# KiCad board ebaz4205.kicad_pcb
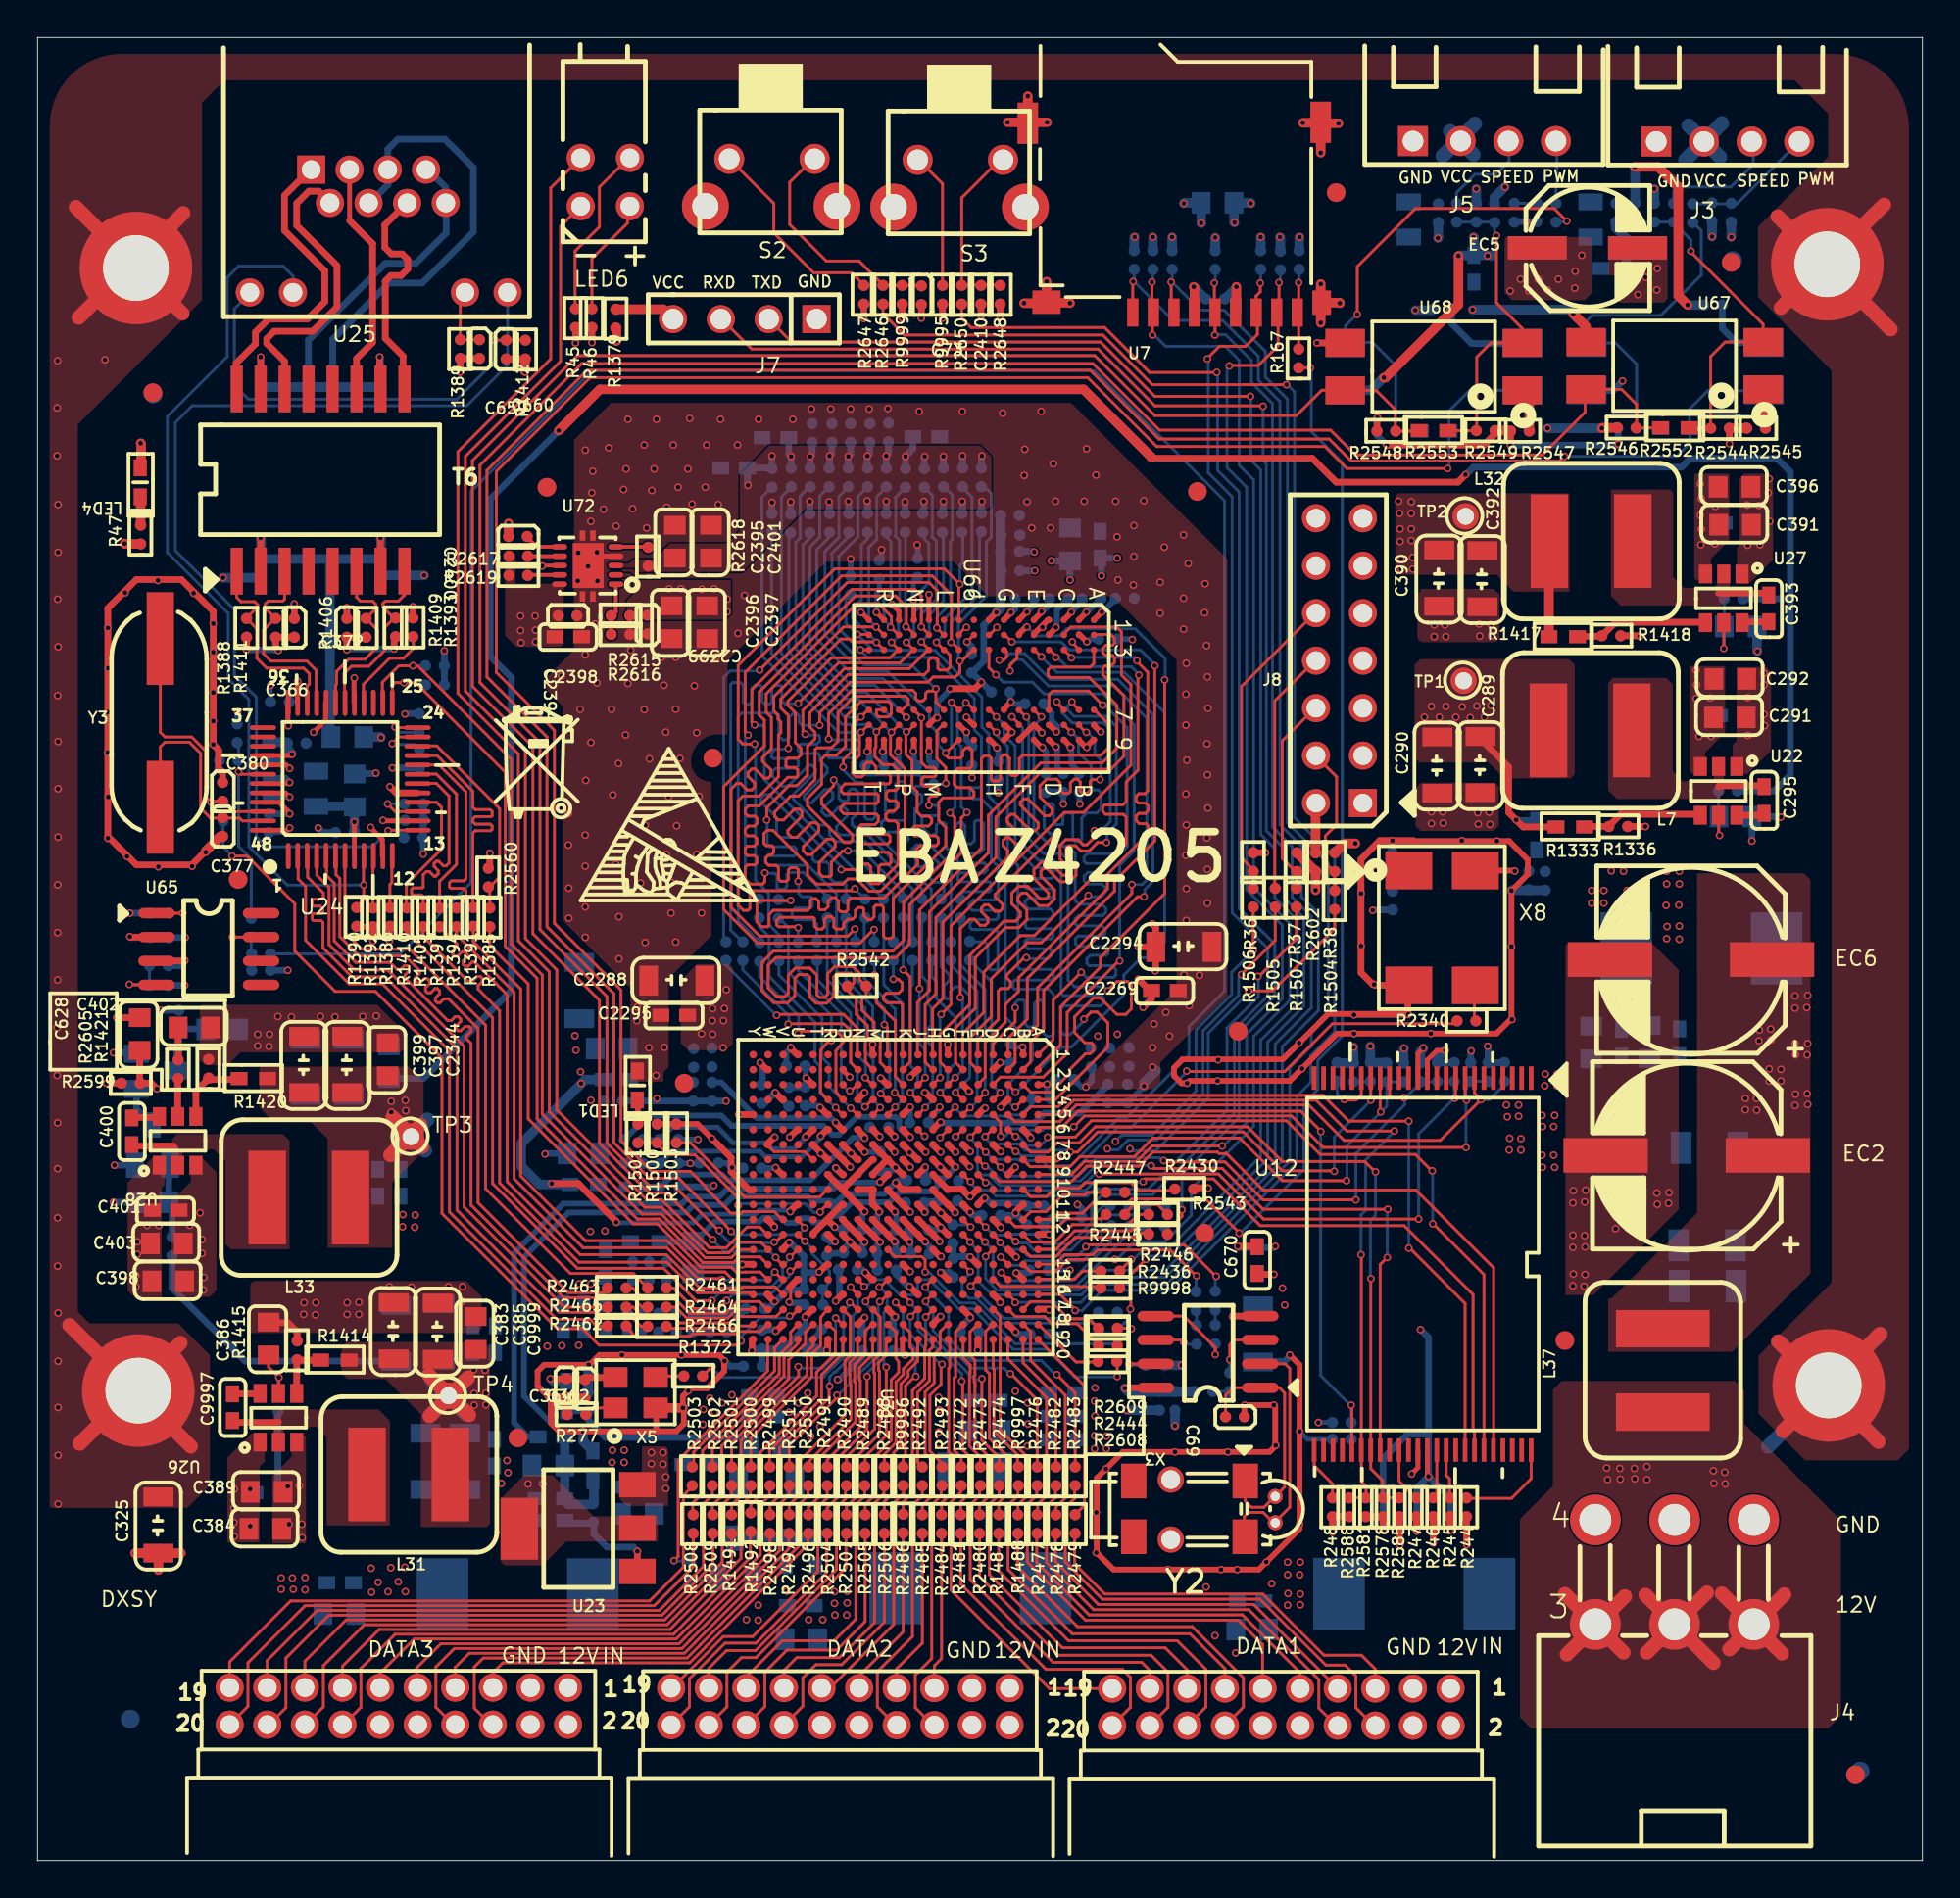
[diagram p0: board, top side]
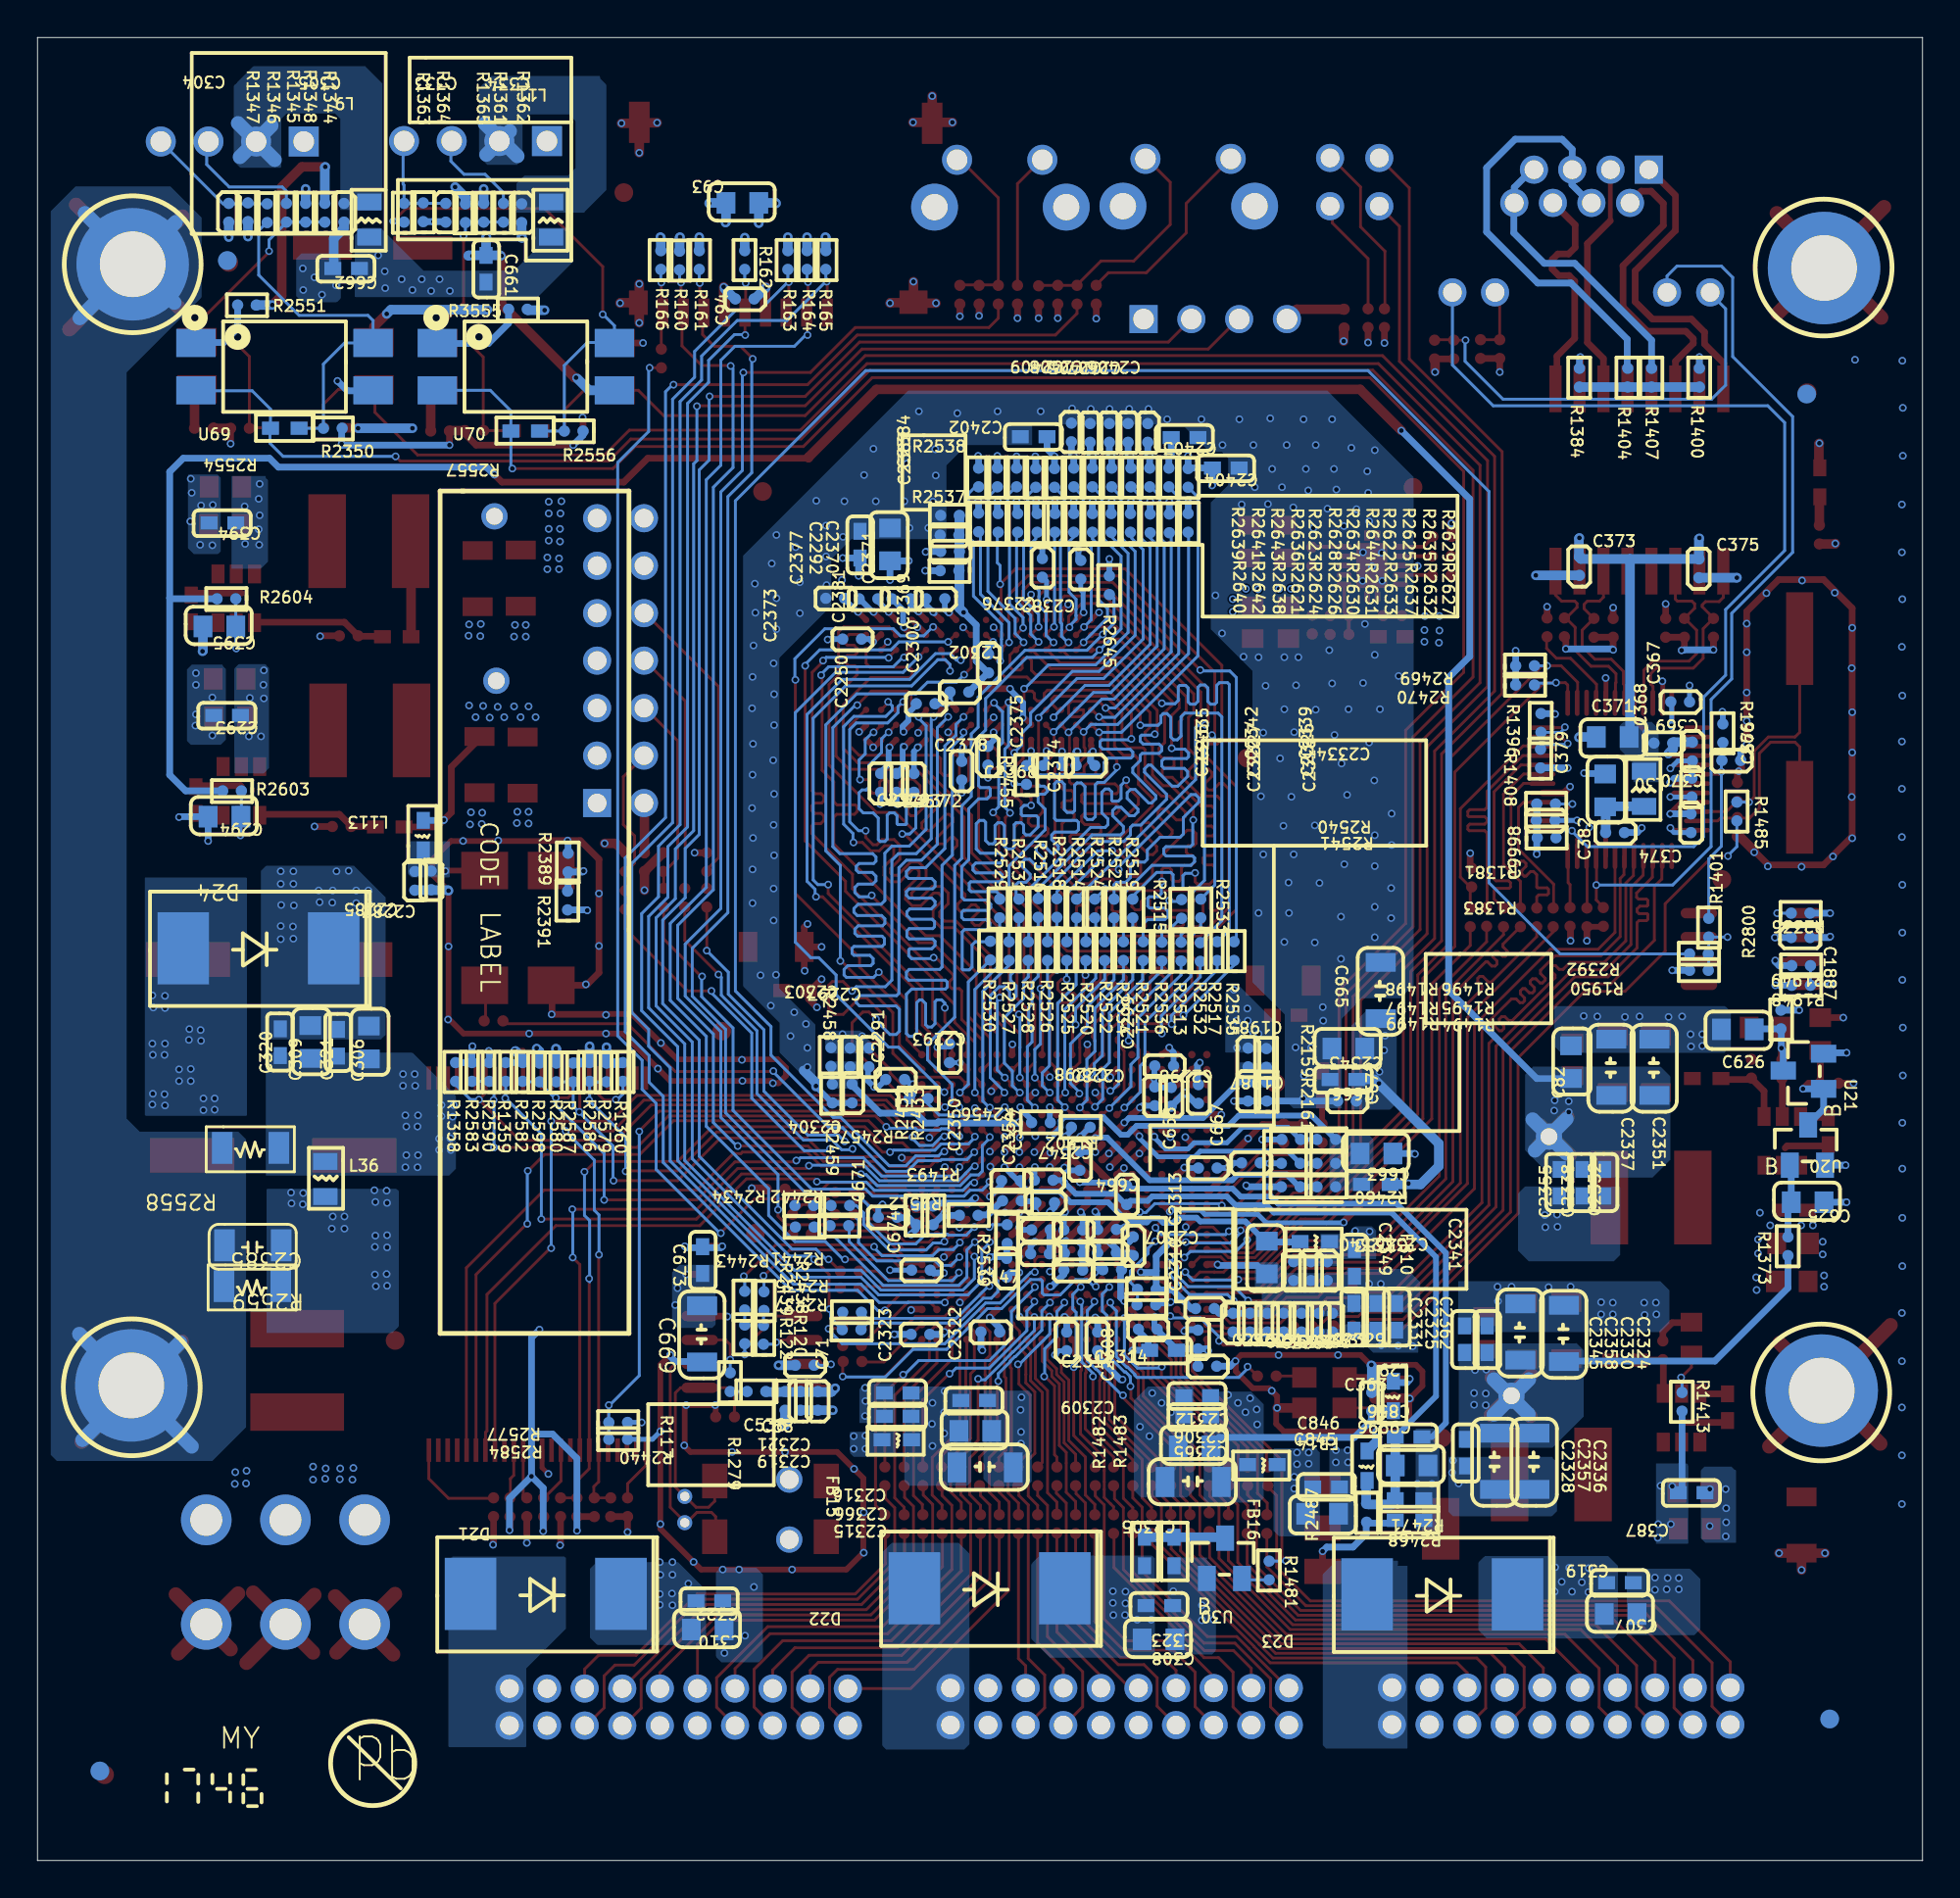
[diagram p1: board, bottom side, seen from below]

Outline 100.55 x 97.28 mm; copper layers: Top Layer, MidLayer1, MidLayer2, Bottom Layer. Coordinates in mm from the lower left corner of the outline.
Outline path: 0,97.28 0,0 100.55,0 100.55,97.28 0,97.28
Stack: Top Layer 0.0356mm / dielectric 0.32mm FR-4 er 4.8 / MidLayer1 0.0356mm / dielectric 0.32mm FR-4 er 4.8 / MidLayer2 0.0356mm / dielectric 0.32mm FR-4 er 4.8 / Bottom Layer 0.0356mm

## Placement (name value [footprint] x y rotation side)
C68  NC  [unnamed#7]  58.93 25.03 0 bottom
C69  NC  [unnamed#7]  63.38 23.68 270 top
C71  NC  [unnamed#7]  60.13 26.43 270 bottom
C73  1UF  [unnamed#7]  47.15 83.03 0 top
C82  10UF  [unnamed#23]  18.75 43.48 270 bottom
C93  NC  [unnamed#23]  63.83 88.45 180 bottom
C94  NC  [unnamed#7]  63.33 83.33 270 bottom
C147  10NF  [unnamed#7]  48.85 32.13 0 bottom
C289  22UF  [unnamed#3]  76.98 56.98 90 top
C290  22UF  [unnamed#3]  74.68 56.95 90 top
C291  10UF  [unnamed#11]  89.4 61 0 top
C292  10UF  [unnamed#11]  89.43 63.05 0 top
C293  100NF  [unnamed#6]  91.15 61.1 180 bottom
C294  NC  [unnamed#23]  91.45 55.7 180 bottom
C295  100NF  [unnamed#6]  92.1 55.88 90 top
C304  100NF  [unnamed#7]  90.35 87.43 180 bottom
C305  100NF  [unnamed#7]  84.2 87.43 180 bottom
C306  10UF  [unnamed#11]  82.88 44.53 270 bottom
C307  10UF  [unnamed#11]  16.98 13.15 180 bottom
C308  10UF  [unnamed#23]  41.63 11.8 180 bottom
C309  10UF  [unnamed#11]  86 44.55 270 bottom
C310  10UF  [unnamed#11]  65.68 12.33 180 bottom
C319  100NF  [unnamed#6]  16.85 14.83 180 bottom
C320  100NF  [unnamed#6]  87.6 44.38 270 bottom
C321  100NF  [unnamed#6]  84.5 44.35 270 bottom
C322  100NF  [unnamed#6]  65.43 13.85 180 bottom
C323  100NF  [unnamed#6]  41.43 13.6 180 bottom
C325  1NF  [unnamed#3]  6.45 16.4 90 top
C327  100NF  [unnamed#7]  47.38 36.3 270 bottom
C333  100NF  [unnamed#7]  78.78 87.43 180 bottom
C334  100NF  [unnamed#7]  74.73 87.4 180 bottom
C362  NC  [unnamed#7]  29.2 24.66 0 top
C363  NC  [unnamed#7]  29.38 24.98 0 bottom
C364  NC  [unnamed#7]  28.21 24.72 0 top
C366  NC  [unnamed#7]  13.7 65.28 0 top
C367  100NF  [unnamed#7]  13.43 61.83 270 bottom
C368  100NF  [unnamed#7]  14.33 59.63 270 bottom
C369  100NF  [unnamed#7]  12.28 58.68 180 bottom
C370  100NF  [unnamed#7]  12.3 56.75 180 bottom
C371  NC  [unnamed#23]  15.65 59.95 0 bottom
C372  NC  [unnamed#7]  16.5 65.28 0 top
C373  100NF  [unnamed#7]  18.3 69.58 0 bottom
C374  100NF  [unnamed#7]  12.35 54.85 180 bottom
C375  100NF  [unnamed#7]  11.93 69.45 0 bottom
C376  100NF  [unnamed#7]  10.7 58.7 270 bottom
C377  22PF  [unnamed#7]  9.88 54.65 0 top
C379  NC  [unnamed#23]  16.93 57.98 270 bottom
C380  22PF  [unnamed#7]  9.88 56.53 0 top
C382  100NF  [unnamed#7]  16.9 54.85 270 bottom
C383  22UF  [unnamed#3]  19 26.78 90 top
C384  10UF  [unnamed#23]  11.28 17.7 0 top
C385  22UF  [unnamed#3]  21.35 26.75 90 top
C386  NC  [unnamed#23]  12.33 26.98 90 top
C387  100NF  [unnamed#6]  13.03 19.63 180 bottom
C389  10UF  [unnamed#11]  11.35 19.68 0 top
C390  22UF  [unnamed#3]  74.78 66.93 90 top
C391  10UF  [unnamed#23]  89.68 71.28 0 top
C392  22UF  [unnamed#3]  77.08 66.9 90 top
C393  100NF  [unnamed#6]  92.35 66.1 90 top
C394  100NF  [unnamed#6]  91.4 71.38 180 bottom
C395  NC  [unnamed#23]  91.73 65.85 180 bottom
C396  10UF  [unnamed#23]  89.65 73.3 0 top
C397  22UF  [unnamed#3]  16.53 40.98 90 top
C398  10UF  [unnamed#11]  6.1 30.9 0 top
C399  22UF  [unnamed#3]  14.23 40.98 90 top
C400  100NF  [unnamed#6]  5.03 38.2 90 top
C401  100NF  [unnamed#6]  6.13 34.7 0 top
C402  NC  [unnamed#23]  7.5 44.45 0 top
C403  10UF  [unnamed#23]  6.03 32.93 0 top
C538  NC  [unnamed#7]  59.85 25.03 0 bottom
C625  10UF  [unnamed#23]  7 35.13 180 bottom
C626  10UF  [unnamed#23]  8.98 44.35 0 bottom
C628  NC  [unnamed#23]  5.45 43.23 90 top
C659  100NF  [unnamed#7]  23.58 80.15 0 top
C660  100NF  [unnamed#7]  25 80.13 0 top
C661  100NF  [unnamed#6]  76.63 84.23 90 bottom
C662  100NF  [unnamed#6]  84.8 84.95 180 bottom
C663  33UF  [unnamed#23]  30 37.73 180 bottom
C664  100NF  [unnamed#7]  42.45 35 180 bottom
C665  51UF  [unnamed#3]  28.9 44.93 90 bottom
C666  3.9UF  [unnamed#6]  31.6 41.68 180 bottom
C667  470NF  [unnamed#7]  36.33 37.23 270 bottom
C668  470NF  [unnamed#7]  38.63 36.95 270 bottom
C669  51UF  [unnamed#3]  65.1 26.6 90 bottom
C670  3.9UF  [unnamed#6]  65.05 31.33 90 top
C671  470NF  [unnamed#7]  55.7 34.33 270 bottom
C672  470NF  [unnamed#7]  31.2 40.53 270 bottom
C673  3.9UF  [unnamed#6]  65.08 31.33 90 bottom
C674  470NF  [unnamed#7]  53.93 31.5 270 bottom
C845  NC  [unnamed#11]  31.15 18.5 0 bottom
C846  NC  [unnamed#6]  31.1 19.93 0 bottom
C856  NC  [unnamed#6]  28.13 22.6 180 bottom
C1887  100NF  [unnamed#7]  6 49.25 90 bottom
C1985  100NF  [unnamed#7]  35.98 42.35 180 bottom
C1987  100NF  [unnamed#7]  35.98 40.53 180 bottom
C2250  470NF  [unnamed#7]  53.68 61.73 270 bottom
C2269  3.9UF  [unnamed#6]  59.43 46.43 0 top
C2280  10NF  [unnamed#7]  40.08 40.25 180 bottom
C2285  100PF  [unnamed#7]  80.43 51.78 180 bottom
C2287  100PF  [unnamed#7]  79.55 51.8 180 bottom
C2288  51UF  [unnamed#3]  32.6 46.95 0 top
C2291  470NF  [unnamed#7]  55.3 41.68 270 bottom
C2292  3.9UF  [unnamed#6]  56.68 69.5 90 bottom
C2293  470NF  [unnamed#7]  51.9 42.58 180 bottom
C2294  51UF  [unnamed#3]  59.65 48.75 0 top
C2295  3.9UF  [unnamed#6]  33.25 45.1 0 top
C2296  470NF  [unnamed#7]  38.63 40.4 180 bottom
C2297  470NF  [unnamed#7]  56.2 42.35 180 bottom
C2298  470NF  [unnamed#7]  40.95 40.28 180 bottom
C2299  470NF  [unnamed#7]  40.95 42.4 270 bottom
C2300  100PF  [unnamed#7]  51.88 62.35 270 bottom
C2302  100PF  [unnamed#7]  49.83 63.38 180 bottom
C2303  100NF  [unnamed#7]  57.2 42.35 180 bottom
C2304  100NF  [unnamed#7]  57.1 40.43 180 bottom
C2305  51UF  [unnamed#3]  40.4 20.2 180 bottom
C2306  3.9UF  [unnamed#6]  39.4 23.68 180 bottom
C2307  470NF  [unnamed#7]  38.65 27.3 180 bottom
C2308  470NF  [unnamed#7]  41.83 28.35 270 bottom
C2309  3.9UF  [unnamed#6]  41.23 27.23 180 bottom
C2310  470NF  [unnamed#7]  38.65 26.38 270 bottom
C2312  3.9UF  [unnamed#6]  39.4 24.8 180 bottom
C2313  470NF  [unnamed#7]  38.78 29.45 270 bottom
C2314  470NF  [unnamed#7]  44 28.2 0 bottom
C2315  51UF  [unnamed#3]  51.5 20.98 180 bottom
C2316  3.9UF  [unnamed#6]  51.3 24.55 180 bottom
C2317  470NF  [unnamed#7]  45.65 28.2 0 bottom
C2318  470NF  [unnamed#7]  43.73 31.53 270 bottom
C2319  3.9UF  [unnamed#6]  55.38 23.7 180 bottom
C2320  470NF  [unnamed#7]  45.8 31.5 270 bottom
C2321  3.9UF  [unnamed#6]  55.38 24.95 180 bottom
C2322  470NF  [unnamed#7]  50.23 28.2 270 bottom
C2323  470NF  [unnamed#7]  53.95 28.08 270 bottom
C2324  3.9UF  [unnamed#6]  23.23 27.1 90 bottom
C2325  3.9UF  [unnamed#6]  29.15 28.3 90 bottom
C2326  470NF  [unnamed#7]  44 32.43 270 bottom
C2327  470NF  [unnamed#7]  45.78 32.4 270 bottom
C2328  3.9UF  [unnamed#6]  24.38 21.05 90 bottom
C2329  470NF  [unnamed#7]  31.48 29.2 0 bottom
C2330  3.9UF  [unnamed#6]  24.43 27.1 90 bottom
C2331  3.9UF  [unnamed#6]  30.33 28.3 90 bottom
C2332  470NF  [unnamed#7]  32.2 29.2 0 bottom
C2333  470NF  [unnamed#7]  33.13 29.2 0 bottom
C2334  470NF  [unnamed#7]  42.1 32.28 180 bottom
C2335  470NF  [unnamed#7]  47.53 33.65 270 bottom
C2336  51UF  [unnamed#3]  20.7 19.8 90 bottom
C2337  51UF  [unnamed#3]  16.6 40.83 90 bottom
C2338  3.9UF  [unnamed#6]  18.15 36.88 270 bottom
C2339  470NF  [unnamed#7]  44 33.68 270 bottom
C2340  470NF  [unnamed#7]  33.55 30.95 180 bottom
C2341  3.9UF  [unnamed#6]  30.3 31.18 90 bottom
C2342  470NF  [unnamed#7]  45.8 33.65 270 bottom
C2343  33UF  [unnamed#23]  31.5 43.33 180 bottom
C2344  33UF  [unnamed#11]  18.68 41.88 90 top
C2345  51UF  [unnamed#3]  21.45 26.7 90 bottom
C2346  470NF  [unnamed#7]  47.58 32.38 270 bottom
C2347  470NF  [unnamed#7]  44.95 36.83 180 bottom
C2349  10UF  [unnamed#23]  34.98 31.3 90 bottom
C2350  RES1  [unnamed#7]  49.13 36.28 270 bottom
C2351  51UF  [unnamed#3]  14.3 40.83 90 bottom
C2352  3.9UF  [unnamed#6]  16.95 36.88 270 bottom
C2353  470NF  [unnamed#7]  32.63 30.95 180 bottom
C2354  470NF  [unnamed#7]  47.3 35.1 270 bottom
C2355  3.9UF  [unnamed#6]  19.38 36.88 270 bottom
C2356  470NF  [unnamed#7]  31.75 30.95 180 bottom
C2357  51UF  [unnamed#3]  22.8 19.8 90 bottom
C2358  51UF  [unnamed#3]  19.13 26.63 90 bottom
C2359  470NF  [unnamed#7]  34.95 29.2 0 bottom
C2360  470NF  [unnamed#7]  36.78 29.2 0 bottom
C2361  470NF  [unnamed#7]  35.88 29.2 0 bottom
C2362  3.9UF  [unnamed#6]  28.05 28.3 90 bottom
C2363  470NF  [unnamed#7]  34.08 29.2 0 bottom
C2365  33UF  [unnamed#11]  39.7 22.1 180 bottom
C2366  33UF  [unnamed#11]  51.4 22.93 180 bottom
C2367  10NF  [unnamed#7]  54.73 58 0 bottom
C2368  10NF  [unnamed#7]  49.85 59.45 0 bottom
C2369  10NF  [unnamed#7]  53.15 67.33 270 bottom
C2370  10UF  [unnamed#11]  55.08 69.35 90 bottom
C2371  10NF  [unnamed#7]  54.98 67.33 270 bottom
C2372  10NF  [unnamed#7]  53.8 58 0 bottom
C2373  10NF  [unnamed#7]  57.6 65.18 270 bottom
C2374  10NF  [unnamed#7]  45.15 58.43 270 bottom
C2375  10NF  [unnamed#7]  46.9 58.43 270 bottom
C2376  10NF  [unnamed#7]  46.95 68.48 180 bottom
C2377  10NF  [unnamed#7]  58.5 67.35 270 bottom
C2378  10NF  [unnamed#7]  51.25 58.65 0 bottom
C2379  10NF  [unnamed#7]  55.58 58 0 bottom
C2381  10NF  [unnamed#7]  56.73 67.33 270 bottom
C2382  10NF  [unnamed#7]  44.9 68.38 180 bottom
C2383  100NF  [unnamed#7]  52.38 69.85 270 bottom
C2384  100NF  [unnamed#7]  52.4 70.73 270 bottom
C2385  1NF  [unnamed#47]  90.58 32.83 180 bottom
C2394  100NF  [unnamed#7]  27.78 66.43 270 top
C2395  NC  [unnamed#23]  34 69.5 90 top
C2396  NC  [unnamed#11]  33.83 65.2 90 top
C2397  NC  [unnamed#11]  35.73 65.2 90 top
C2398  3.9UF  [unnamed#6]  27.6 65.3 0 top
C2399  NC  [unnamed#7]  32.55 66.45 180 top
C2400  NC  [unnamed#7]  25.13 70.65 270 top
C2401  NC  [unnamed#23]  35.93 69.5 90 top
C2402  NC  [unnamed#6]  48.13 75.98 180 bottom
C2403  NC  [unnamed#6]  40.08 75.93 180 bottom
C2404  NC  [unnamed#6]  37.88 74.3 180 bottom
C2405  NC  [unnamed#7]  43.38 75.68 180 bottom
C2406  NC  [unnamed#7]  41.33 75.68 180 bottom
C2407  NC  [unnamed#7]  42.38 75.68 180 bottom
C2408  NC  [unnamed#7]  44.4 75.68 180 bottom
C2409  NC  [unnamed#7]  45.4 75.7 180 bottom
C2410  1UF  [unnamed]  50.33 83.05 90 top
C9996  NC  [unnamed#23]  28.13 21.08 180 bottom
C9997  100NF  [unnamed#6]  10.4 23.48 90 top
C9998  100NF  [unnamed#7]  20.6 55.5 270 bottom
C9999  33UF  [unnamed#11]  23.38 27.28 90 top
D21  SS810  [unnamed#44]  77.45 14.23 180 bottom
D22  SS810  [unnamed#44]  53.78 14.53 180 bottom
D23  SS810  [unnamed#44]  29.63 14.2 180 bottom
D24  NC  [unnamed#44]  92.78 48.68 180 bottom
DATA1  2*10PIN-2.0MM  [unnamed#15]  75.38 9.18 0 top
DATA2  2*10PIN-2.0MM  [unnamed#15]  51.85 9.2 0 top
DATA3  2*10PIN-2.0MM  [unnamed#15]  28.3 9.23 0 top
EC2  470UF/16V  [unnamed#37]  92.3 37.63 0 top
EC5  100UF/16V  [unnamed#36]  80 86.05 0 top
EC6  470UF/16V  [unnamed#26]  92.53 48.08 0 top
FB10  1.2UH  [unnamed#43]  33.2 33.03 90 bottom
FB14  1.2UH  [unnamed#43]  29.63 21.85 180 bottom
FB15  1.2UH  [unnamed#43]  55.5 22.45 90 bottom
FB16  1.2UH  [unnamed#43]  36 21.13 90 bottom
J3  4PIN-2.54MM  [unnamed#34]  86.35 91.73 0 top
J4  2*3PIN-4.2MM  [unnamed#5]  91.55 12.6 0 top
J5  4PIN-2.54MM  [unnamed#34]  73.38 91.75 0 top
J7  NC  [unnamed#17]  41.55 82.25 0 top
J8  NC  [unnamed#42]  70.7 56.43 0 top
L7  4.7UH  [unnamed#8]  80.6 60.3 0 top
L9  0.33UH  [unnamed#45]  82.85 88.5 180 bottom
L11  0.33UH  [unnamed#45]  73.15 88.5 180 bottom
L29  NC  [unnamed#43]  28.23 25.58 180 bottom
L30  NC  [unnamed#45]  14.85 58.13 180 bottom
L31  4.7UH  [unnamed#9]  17.58 20.6 0 top
L32  4.7UH  [unnamed#9]  80.65 70.4 0 top
L33  4.7UH  [unnamed#8]  12.25 35.38 0 top
L36  0.33UH  [unnamed#45]  85.2 35.43 0 bottom
L37  4.7UH  [unnamed#8]  86.7 23.93 90 top
L113  1.2UH  [unnamed#43]  79.98 55.5 180 bottom
LED1  G  [unnamed#2]  32 40.58 180 top
LED4  G  [unnamed#38]  5.48 72.77 180 top
LED6  R+G  [unnamed#31]  31.6 88.28 0 top
NOREF  -  [unnamed#4]  97.23 4.78 0 top
NOREF#2  -  [unnamed#48]  10.7 52.35 0 top
NOREF#3  -  [unnamed#48]  96.98 4.58 0 top
NOREF#4  -  [unnamed#13]  95.55 25.35 0 top
NOREF#5  -  [unnamed#48]  62.25 33.48 0 top
NOREF#6  -  [unnamed#48]  64.05 44.25 0 top
NOREF#7  -  [unnamed#48]  34.5 41.48 0 top
NOREF#8  -  [unnamed#4]  4.95 7.55 0 top
NOREF#9  -  [unnamed#24]  5.38 25.08 0 top
NOREF#10  -  [unnamed#48]  61.88 73.05 0 top
NOREF#11  -  [unnamed#4]  6.18 78.25 0 top
NOREF#12  -  [unnamed#48]  6.15 78.33 0 top
NOREF#13  -  [unnamed#32]  5.25 84.98 0 top
NOREF#14  -  [unnamed#48]  27.18 73.28 0 top
NOREF#15  -  [unnamed#48]  69.28 89 0 top
NOREF#16  -  [unnamed#4]  90.43 85.38 0 top
NOREF#17  -  [unnamed#48]  90.35 85.28 0 top
NOREF#18  -  [unnamed#48]  36.03 58.83 0 top
NOREF#19  -  [unnamed#48]  81.48 27.75 0 top
NOREF#20  -  [unnamed#49]  95.48 85.18 0 top
NOREF#21  -  [unnamed#48]  25.63 22.55 0 top
R36  4.7K 1%  [unnamed]  64.85 52.78 90 top
R37  22R 1%  [unnamed]  67.15 50.88 90 top
R38  4.7K 1%  [unnamed]  69.2 52.78 90 top
R45  150R 1%  [unnamed]  28.7 81.8 90 top
R46  150R 1%  [unnamed]  29.58 81.8 90 top
R47  150R 1%  [unnamed]  5.5 70.25 90 top
R117  NC  [unnamed]  63.6 25.03 90 bottom
R120  NC  [unnamed]  61.83 27.55 90 bottom
R122  NC  [unnamed]  62.83 27.58 90 bottom
R160  NC  [unnamed]  66.3 84.88 90 bottom
R161  NC  [unnamed]  65.25 84.9 90 bottom
R162  NC  [unnamed]  62.83 84.9 90 bottom
R163  NC  [unnamed]  60.53 84.9 90 bottom
R164  NC  [unnamed]  59.5 84.9 90 bottom
R165  NC  [unnamed]  58.5 84.9 90 bottom
R166  10K 1%  [unnamed]  67.3 84.9 90 bottom
R167  0R 1%  [unnamed]  67.28 79.65 90 top
R244  NC  [unnamed]  76.23 18.35 90 top
R245  NC  [unnamed]  75.35 18.35 90 top
R246  0R 1%  [unnamed]  74.45 18.35 90 top
R247  NC  [unnamed]  73.55 18.35 90 top
R248  NC  [unnamed]  69.08 18.35 90 top
R277  NC  [unnamed]  28.25 23.8 0 top
R1279  NC  [unnamed]  60.68 24.03 90 bottom
R1333  51K 5%  [unnamed#28]  81 55.15 0 top
R1336  11.3K 1%  [unnamed]  83.83 55.18 0 top
R1344  10K 1%  [unnamed]  85.23 87.43 90 bottom
R1345  33R 1%  [unnamed]  87.28 87.43 90 bottom
R1346  33R 1%  [unnamed]  88.3 87.4 90 bottom
R1347  NC  [unnamed]  89.33 87.45 90 bottom
R1348  NC  [unnamed]  86.25 87.43 90 bottom
R1358  4.7K 1%  [unnamed]  78.25 41.58 90 bottom
R1359  4.7K 1%  [unnamed]  75.58 41.58 90 bottom
R1360  4.7K 1%  [unnamed]  69.33 41.58 90 bottom
R1361  10K 1%  [unnamed]  76.75 87.43 90 bottom
R1362  33R 1%  [unnamed]  75.7 87.43 90 bottom
R1363  33R 1%  [unnamed]  81 87.43 90 bottom
R1364  NC  [unnamed]  79.98 87.45 90 bottom
R1365  NC  [unnamed]  77.73 87.4 90 bottom
R1372  NC  [unnamed]  34.48 25.85 0 top
R1373  33R 1%  [unnamed]  7.18 32.28 90 bottom
R1379  33R 1%  [unnamed]  30.85 81.78 90 top
R1381  5.1K 1%  [unnamed]  20.58 56.38 180 bottom
R1383  5.1K 1%  [unnamed]  20.55 54.58 180 bottom
R1384  75R 1%  [unnamed]  18.3 78.63 90 bottom
R1385  22R 1%  [unnamed]  24.13 49.83 90 top
R1386  5.1K 1%  [unnamed]  18.8 49.85 90 top
R1388  NC  [unnamed]  11.15 65.28 90 top
R1389  330R 1%  [unnamed]  22.55 80.15 90 top
R1390  5.1K 1%  [unnamed]  17.03 49.85 90 top
R1391  22R 1%  [unnamed]  23.25 49.85 90 top
R1392  5.1K 1%  [unnamed]  17.9 49.83 90 top
R1393  6.2K 1%  [unnamed]  20.03 65.3 90 top
R1394  22R 1%  [unnamed]  22.35 49.83 90 top
R1396  5.1K 1%  [unnamed]  20.35 60.2 90 bottom
R1397  22R 1%  [unnamed]  21.45 49.83 90 top
R1400  75R 1%  [unnamed]  11.9 78.63 90 bottom
R1401  33R 1%  [unnamed]  11.4 50.28 270 bottom
R1404  75R 1%  [unnamed]  15.73 78.63 90 bottom
R1405  22R 1%  [unnamed]  20.58 49.83 90 top
R1406  NC  [unnamed]  17.53 65.28 90 top
R1407  75R 1%  [unnamed]  14.45 78.63 90 bottom
R1408  5.1K 1%  [unnamed]  20.38 58.3 90 bottom
R1409  NC  [unnamed]  19.1 65.3 90 top
R1410  22R 1%  [unnamed]  19.7 49.83 90 top
R1411  NC  [unnamed]  12.7 65.28 90 top
R1412  330R 1%  [unnamed]  26.03 80.13 90 top
R1413  10K 1%  [unnamed]  12.83 23.98 90 bottom
R1414  6.81K 1%  [unnamed#28]  15.1 26.7 0 top
R1415  10K 1%  [unnamed]  13.85 26.73 90 top
R1417  15K 1%  [unnamed#28]  80.63 65.3 0 top
R1418  10K 1%  [unnamed]  83.45 65.35 0 top
R1420  4.02K 1%  [unnamed#28]  10.75 41.73 0 top
R1421  2K 1%  [unnamed]  9.13 41.75 90 top
R1481  33R 1%  [unnamed]  34.85 14.98 90 bottom
R1482  3K 5%  [unnamed#28]  41.5 17.25 270 bottom
R1483  1.2K 5%  [unnamed#28]  39.93 17.25 270 bottom
R1485  NC  [unnamed]  9.9 55.48 90 bottom
R1487  22R 1%  [unnamed]  51.28 17.45 90 top
R1488  22R 1%  [unnamed]  52.3 17.45 90 top
R1491  22R 1%  [unnamed]  37.03 17.45 90 top
R1492  22R 1%  [unnamed]  38.05 17.55 90 top
R1493  NC  [unnamed]  49.08 35.2 180 bottom
R1494  0R 1%  [unnamed]  32.3 35.95 180 bottom
R1495  0R 1%  [unnamed]  32.3 37.2 180 bottom
R1496  0R 1%  [unnamed]  32.3 38.48 180 bottom
R1497  NC  [unnamed]  34.2 37.2 180 bottom
R1498  NC  [unnamed]  34.18 38.48 180 bottom
R1499  NC  [unnamed]  34.2 35.95 180 bottom
R1500  330R 1%  [unnamed]  33.05 38.3 90 top
R1501  330R 1%  [unnamed]  32.03 38.3 90 top
R1502  4.7K 1%  [unnamed]  45.4 39.13 180 bottom
R1503  4.7K 1%  [unnamed]  34.08 38.3 90 top
R1504  22R 1%  [unnamed]  69.2 50.75 90 top
R1505  22R 1%  [unnamed]  66.03 50.88 90 top
R1506  22R 1%  [unnamed]  64.85 50.88 90 top
R1507  4.7K 1%  [unnamed]  67.18 52.78 90 top
R1948  100K 1%  [unnamed]  6.98 46.7 180 bottom
R1949  NC  [unnamed]  6.98 47.75 180 bottom
R1950  10K 1%  [unnamed]  12.43 47.5 180 bottom
R1995  10K 1%  [unnamed]  10.65 59.65 90 bottom
R2159  1.2K 1%  [unnamed]  35 42.33 90 bottom
R2161  1.2K 1%  [unnamed]  34.98 40.53 90 bottom
R2336  10K 1%  [unnamed]  7 50.55 180 bottom
R2340  NC  [unnamed]  75.73 44.8 0 top
R2350  10K 1%  [unnamed]  84.3 76.43 0 bottom
R2389  NC  [unnamed]  72.25 52.75 90 bottom
R2391  NC  [unnamed]  72.28 50.73 90 bottom
R2392  33R 1%  [unnamed]  12.43 48.38 180 bottom
R2430  100K 1%  [unnamed]  60.68 35.83 0 top
R2432  100K 1%  [unnamed]  53.68 34.93 270 bottom
R2433  100K 1%  [unnamed]  52.78 34.93 270 bottom
R2434  NC  [unnamed]  60.15 34.95 180 bottom
R2435  NC  [unnamed]  57.6 29.25 180 bottom
R2436  22R 1%  [unnamed]  56.73 31.45 0 top
R2437  22R 1%  [unnamed]  57.63 28.33 180 bottom
R2438  NC  [unnamed]  61.8 29.35 90 bottom
R2439  NC  [unnamed]  62.83 29.38 90 bottom
R2440  NC  [unnamed]  62.7 25.03 180 bottom